# Altium PCB 微断从V2.0.PcbDoc (part 2 of 2)
Units mil, origin at the board's own origin, x right, y up, seen from the top; angles counter-clockwise.
Board outline 3625 x 3460 mil, 4 copper layers (Top Layer, Mid-Layer 1, Mid-Layer 2, Bottom Layer); 205 components, 133 nets, 655 pads, 136 vias.
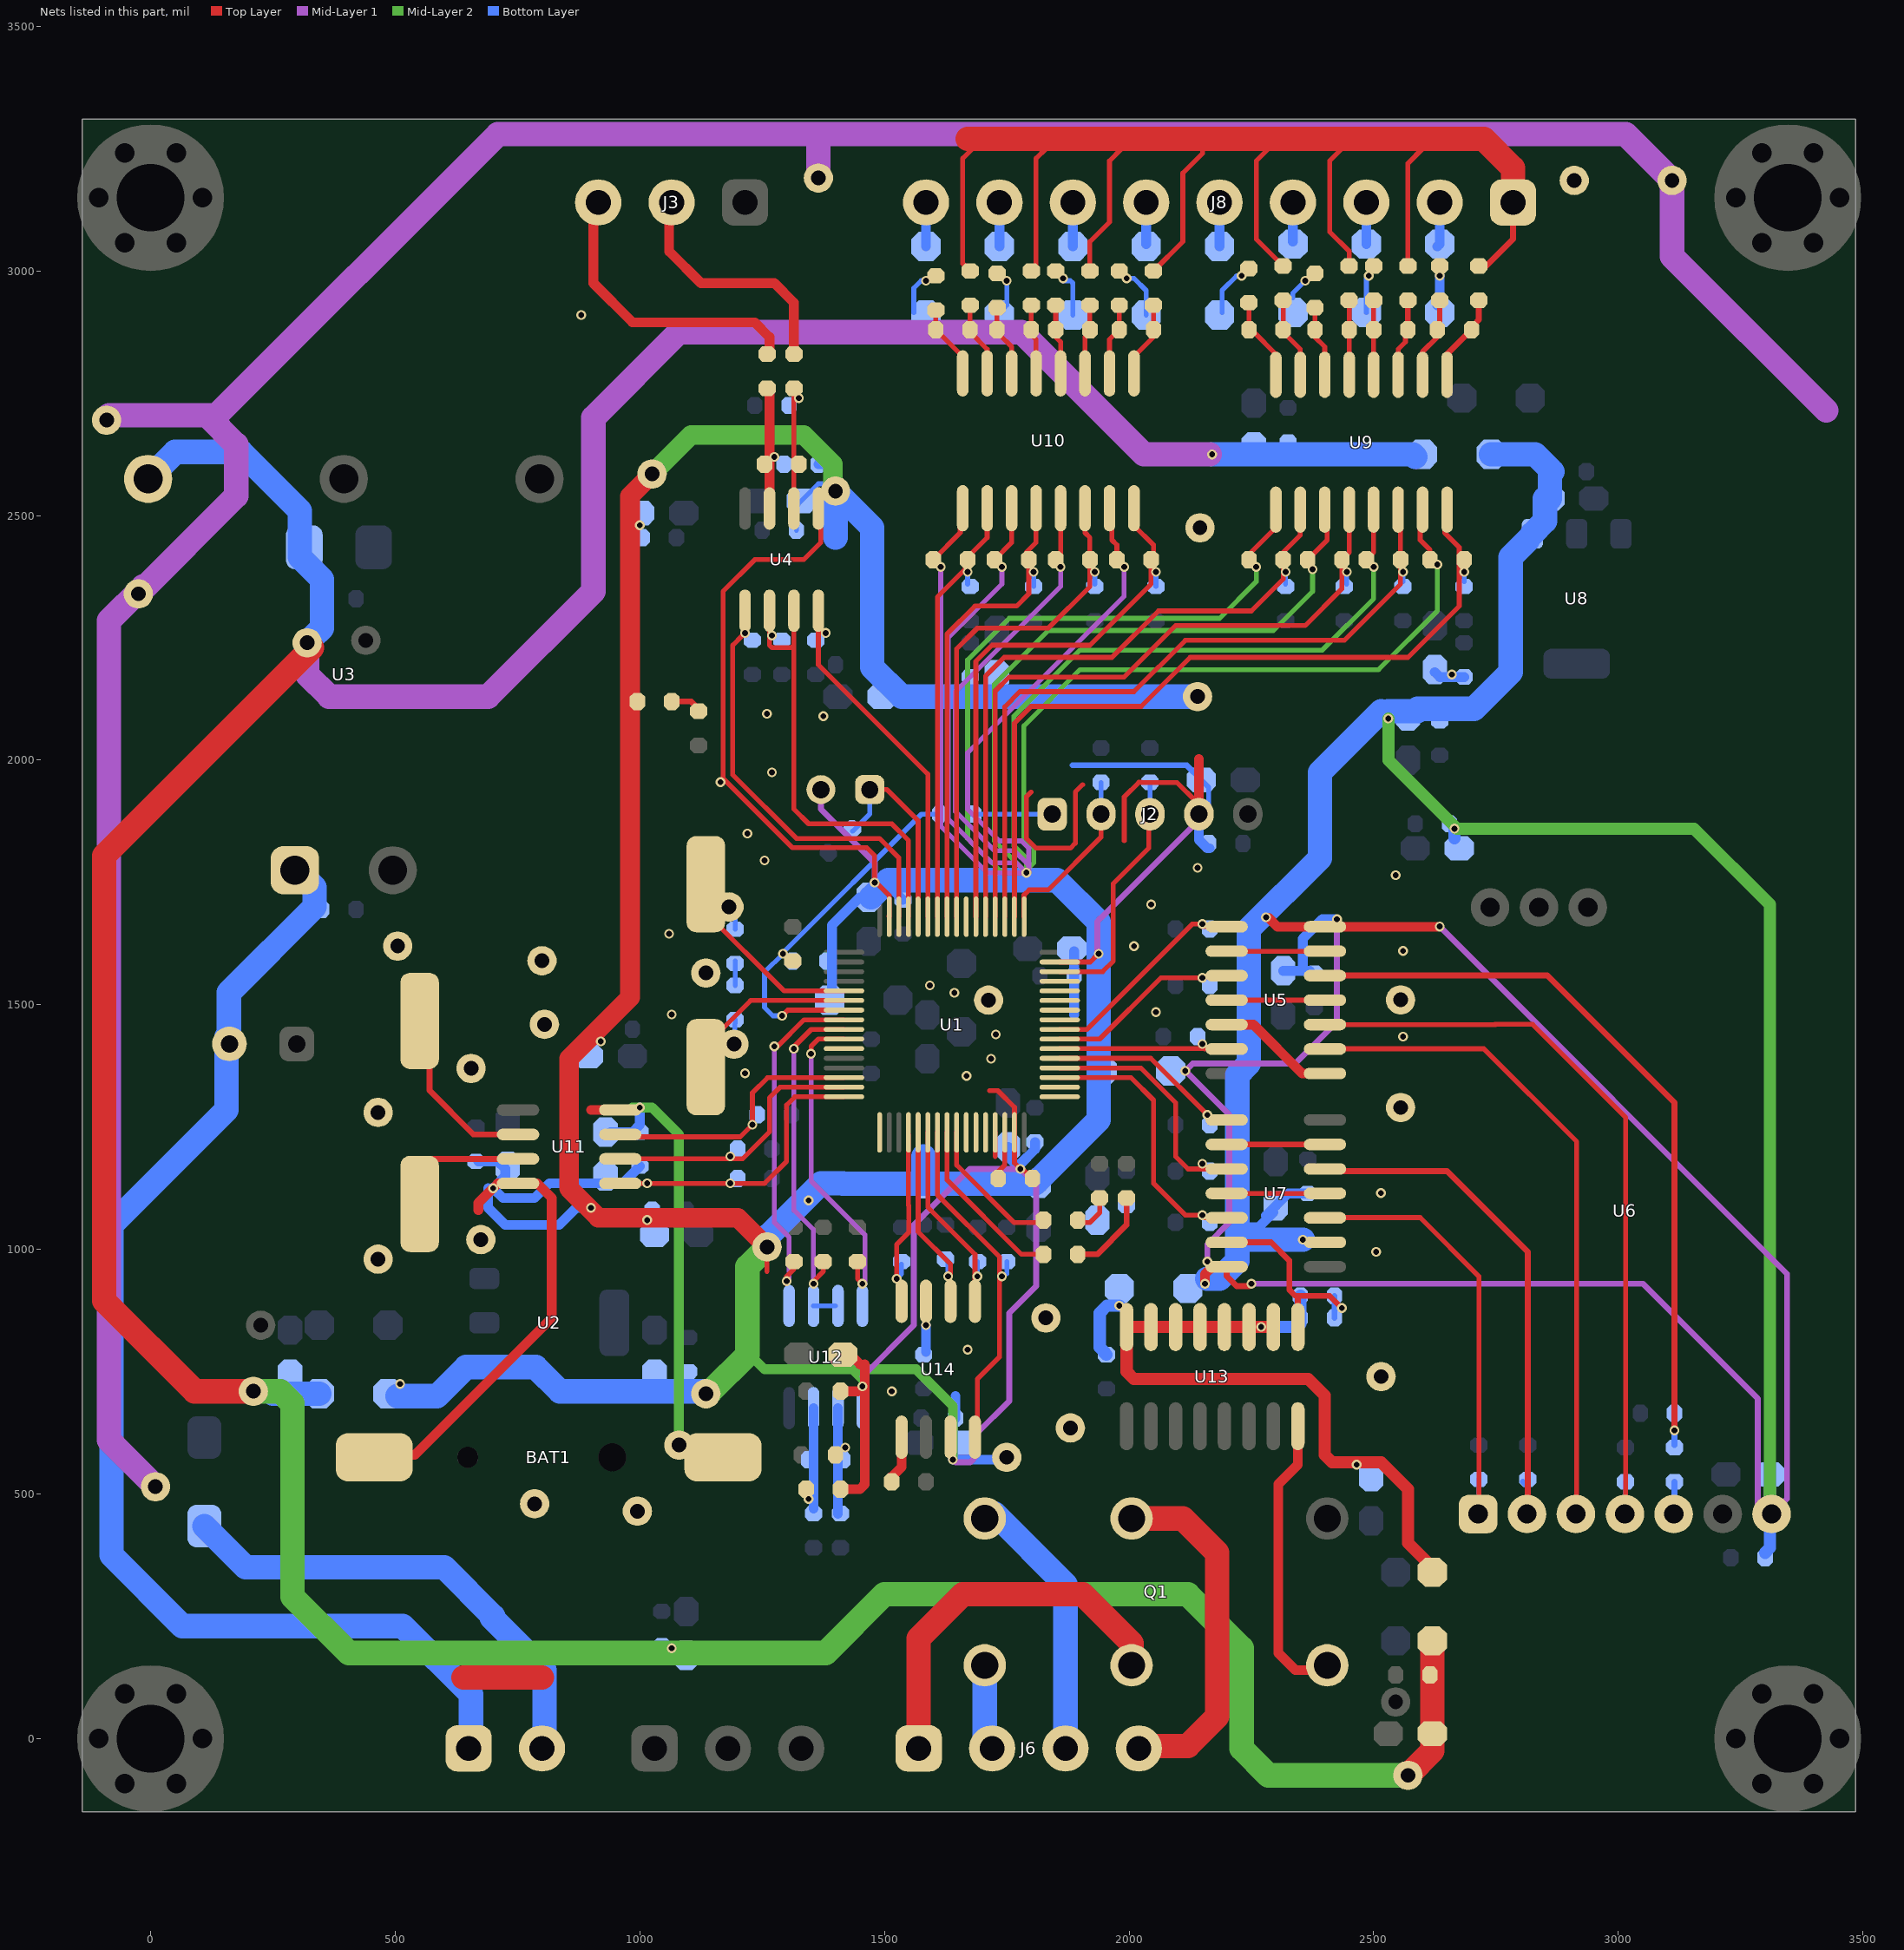
[diagram p4: the nets of this part, all layers, seen from the top]

## Via types
v1: diameter 20, hole 12, Top Layer to Bottom Layer, 136 vias

## Nets (pads, with @x,y where several pads share a name; then routed paths per layer and width w, separated by ;. In a path a pad name is that pad's centre, name@x,y a point inside that pad or via, vN(x,y) a via of type N, cw(c..) or ccw(c..) an arc to the next point about the centre after c; other vN are vias at no path point) (continued)
GND: BAT1.2 C1.2 C2.2 C5.1 C7.2 C8.2 C18.2 C19.2 C20.1 C21.2 C27.1 C29.1 C31.1 C33.2 C34.2 C35.1 C37.1 C40.1 C42.2 C43.2 C44.2 C45.2 C46.2 C47.2 C48.2 C51.1 C53.1 C54.2 C55.2 C56.2 C57.2 C58.2 C60.2 c68.2 c69.1 C71.2 C72.2 C73.1 C74.2 C75.2 C76.1 C77.1 C78.1 C80.2 C81.2 C82.2 C83.2 C84.2 C85.2 J2.4 J7.2 LED5.2 pad.1@1025,2585 pad.2@1400,2550 pad.5 pad.6 pad.87 pad.100 pad.102 pad.103 pad.104 pad.105 pad.106 pad.107 pad.108 pad.109 pad.110 pad.111 pad.112 R10.2 R41.2 U1.31 U1.47 U1.63 U2.1 U4.5 U9.9 U9.11 U9.13 U9.15 U10.9 U10.11 U10.13 U10.15 U11.4 U12.5 U14.7 Z2.2 Z4.2 Z8.1 | length 23405.9
  Top Layer w10: 1260,955 pad.6@1260,990 ; U4.5@1370,2485 1370,2445 1335,2410 1235,2410 1170,2345 1170,1963.13 1312.13,1821 1464,1821 1480,1805 v1(1480,1750) ; v1@1475,1750 v1(1480,1750) ; U1.63@1509.04,1680.76 U1.63@1509.8,1680 1509.8,1723.49 1483.29,1750 v1(1480,1750) ; C53.1@1600,2410 1655,2465 U10.9@1655,2485 ; 1715,1324.53 1731.61,1324.53 1765.71,1290.43 U1.31@1765.71,1239.05 1765.71,1176.57 v1(1777.75,1164.53) 1782.75,1164.53 C48.2@1802.75,1144.53 ; C51.1@1720,2405 C51.1@1725,2410 1760,2445 U10.11@1760,2480 ; 1800,1935 1790,1925 1790,1840 1810,1820 1880,1820 1890.22,1830.22 1890.22,1935.22 1905,1950 ; C40.1@1850,2410 1860,2420 U10.13@1860,2480 ; U1.47@1858.23,1587.48 1920.71,1587.48 v1@1932.75,1599.53 ; U10.15@1965,2480 1965,2450 1975,2440 C35.1@1975,2410 ; 1990.22,1835.22 1990.22,1925 2020.22,1955 2025,1955 ; 2025,1954.53 2097.75,1954.53 J2.4@2137.75,1914.53 ; C31.1@2245,2420 2300,2475 U9.9@2300,2512.2 ; C29.1@2365,2410 2405,2450 U9.11@2405,2485 ; C27.1@2485,2410 2500,2425 U9.13@2500,2480 ; U9.15@2595,2485 2595,2450 2615,2430 C20.1@2615,2410
  Top Layer w20: BAT1.2@485,580 540,580 820,860 820,1105 790,1135 U11.4@751.02,1135 710,1135 v1@705,1130 ; 670,1080 670,1095 v1(700,1125) ; R41.2@1410,510 1450,510 1460,520 v1@1460,720 ; C8.2@1410,710 1445,710 ; C7.2@1430,785 1450,765 ; v1@1460,725 1460,765 ; J2.4@2142.75,1889.53 2142.75,2002.75 ; U9.15@2600,2485 U9.15@2600,2512.2
  Top Layer w40: pad.1@1020,2580 980,2540 980,1515 855,1390 855,1125 915,1065 1200,1065 pad.6@1260,1005
  Mid-Layer 1 w10: v1(1615,2395) 1615,1865 1710,1770 v1(1790,1770) 1770,1790 1720,1790 1630,1880 1630,2250 1740,2360 v1(1740,2395) ; v1@1795,1770 1795,1785 ; v1(1860,2395) 1860,2355 1645,2140 1645,1895 1725,1815 1765,1815 1795,1785 ; v1(1990,2395) 1990,2335 1670,2015 1670,1900 1735,1835 1780,1835 1795,1820 1795,1785
  Mid-Layer 1 w12: J7.2@1370,1940 1370,1900 1480,1790 v1(1480,1750) ; 1455,740 1560,845 1560,1050 1674.53,1164.53 v1(1777.75,1164.53) 1810,1132.28 1810,925 1755,870 1755,690 1690,625 1690,580 1675,565 v1@1645,565 ; v1@1940,1605 1937.75,1607.25 1935,1610 1935,1670 1940,1675 1945,1680 J2.4@2140,1875
  Mid-Layer 2 w10: v1(2260,2395) 2260,2365 2185,2290 1755,2290 1670,2205 1670,1840 1740,1770 v1(1790,1770) 1725,1835 1725,2155 1835,2265 2295,2265 2375,2345 v1(2375,2390) ; v1(2500,2395) 2500,2330 2395,2225 1900,2225 1765,2090 1765,1825 1790,1800 1790,1775 1805,1790 1805,1820 1785,1840 1785,2070 1900,2185 2510,2185 2630,2305 v1(2630,2400)
  Mid-Layer 2 w20: 1225,785 1255,755 1435,755 ; 1455,735 1435,755 ; v1(1640,570) 1640,680 1565,755 1435,755
  Mid-Layer 2 w40: pad.1@1025,2585 1105,2665 1335,2665 1395,2605 pad.2@1395,2555
  Mid-Layer 2 w50: pad.5@1140,710 1145,710 1220,785 1220,965 pad.6@1260,1005
  Bottom Layer w10: C5.1@1195,1539.53 C37.1@1195,1584.53 C37.1@1195,1589.53 ; C75.2@1320,2470 1320,2520 C74.2@1330,2530 1365,2565 pad.2@1375,2565 ; C21.2@2147.75,1959.53 2162.75,1944.53 J2.4@2162.75,1889.53
  Bottom Layer w12: 1884.53,1989.53 2117.75,1989.53 C21.2@2147.75,1959.53
  Bottom Layer w20: C60.2@670,1180 710,1180 725,1165 725,1150 v1@702.5,1127.5 ; v1@690,1125 690,1085 725,1050 835,1050 870,1085 v1(900,1085) ; v1(700,1125) 720,1105 785,1105 815,1135 965,1135 C55.2@1000,1170 ; R10.2@1365,2605 1390,2605 1405,2590 pad.2@1405,2560 ; Z2.2@1392.75,1534.53 1392.75,1662.75 1449.53,1719.53 C43.2@1467.75,1719.53 ; 1507.75,1744.53 C42.2@1537.75,1714.53 ; C57.2@1640,650 v1(1640,570) 1740,570 pad.111@1755,585 ; C57.2@1645,655 1645,700 ; C46.2@1752.75,1209.53 1752.75,1189.53 v1(1777.75,1164.53) ; 1777.75,1174.53 1807.75,1204.53 C18.2@1807.75,1219.53 ; 1887.75,1479.53 C44.2@1887.75,1559.53 C45.2@1887.75,1609.53 ; J2.4@2142.75,1889.53 2142.75,1837.25 2160,1820 C33.2@2165,1820 ; C72.2@2625,2180 2635,2170 C71.2@2685,2170
  Bottom Layer w50: Z4.2@505,700 585,700 644.45,759.45 U2.1@682.13,759.45 787.13,759.45 836.57,710 pad.5@1130,710 ; pad.6@1260,1025 pad.6@1265,1030 ; 1270,1035 1370,1135 1415,1135 ; 1400,2455 pad.2@1400,2550 1475,2475 1475,2190 1535,2130 pad.112@2140,2130 ; 1415,1134.53 C78.1@1580,1134.53 ; C43.2@1472.75,1719.53 1491.61,1738.39 ; 1507.75,1754.53 1852.75,1754.53 1937.75,1669.53 v1(1937.75,1604.53) 1937.75,1264.53 C77.1@1811.61,1138.39 ; 1580,1190 C78.1@1580,1134.53 ; C77.1@1807.76,1134.53 C78.1@1580,1134.53
  other v1: 1515,710 1455,720 510,725 1670,795 1015,1060 1345,1100 1667.75,1354.53 1215,1360 1717.75,1389.53 920,1425 1727.75,1439.53 1065,1480 2055,1485 1642.75,1524.53 1592.75,1539.53 2010,1620 1060,1645 2045,1705 2140,1780 1255,1795 1220,1850 1165,1955 1270,1975 1375,2090 1260,2095 2660,2175 1000,2480 880,2910
GND_24V: C15.2 C24.2 J1.1 pad.0@785,480 pad.1@995,465 pad.2@1365,3190 pad.3@2145,2475 pad.114 pad.115 pad.116 pad.117 pad.118 U3.1 | length 9234.3
  Top Layer w50: 640,125 800,125
  Mid-Layer 1 w50: pad.118@-85,2705 115,2705 ; pad.117@-25,2340 175,2540 175,2645 115,2705 ; pad.117@-15,2355 -85,2285 -85,610 pad.116@10,515 ; pad.2@1365,3190 1365,3260 ; 3425,2715 3110,3030 pad.115@3110,3185 3015,3280 710,3280 135,2705 115,2705
  Bottom Layer w50: C15.2@155,1435 155,1285 -80,1050 -80,375 65,230 515,230 655,90 J1.1@655,-15 ; C15.2@160,1425 160,1525 335,1700 335,1740 U3.1@305,1770 ; C15.2@165,1420 C15.2@165,1425
GNDA: C3.2 C4.2 C14.2 C61.2 C62.2 C63.2 C64.2 C86.1 C87.1 pad.1@210,710 pad.2@320,2240 pad.14 U3.5 Z4.1 Z7.1 Z10.1 | length 9049.6
  Top Layer w50: pad.1@210,710 90,710 -95,895 -95,1805 pad.2@330,2230 ; pad.14@2570,-75 2620,-25 Z10.1@2620,200
  Mid-Layer 1 w50: pad.2@320,2240 320,2175 365,2130 690,2130 905,2345 905,2700 1080,2875 1780,2875 2030,2625 v1@2165,2625
  Mid-Layer 2 w50: pad.1@210,710 265,710 290,685 290,290 405,175 1380,175 1500,295 2120,295 2230,185 2230,-20 2285,-75 pad.14@2565,-75
  Bottom Layer w50: U3.5@-5,2575 50,2630 185,2630 305,2510 305,2415 350,2370 C4.2@350,2330 350,2270 pad.2@330,2250 ; 250,705 Z4.1@345,705 ; v1(2170,2625) 2580,2625 Z7.1@2585,2620
  other v1: 1065,185
GNDf: C23.2 C25.2 C26.2 pad.15 R43.2 U13.2 U13.3 U13.4 U13.5 U13.6 U13.7 U13.8 Z5.2 Z10.2 | length 1600
  Top Layer w25: U13.2@2295,841.46 v1(2270,841.46) U13.3@2245,841.46 U13.4@2195,841.46 U13.5@2145,841.46 U13.6@2095,841.46 U13.7@2045,841.46 U13.8@1995,841.46 1995,750 2010,735 2366.54,735 2400,701.54 2400,580 2415,565 2515,565 2570,510 2570,400 2610,360 Z10.2@2610,340
  Bottom Layer w25: C26.2@1949.03,789.44 C26.2@1953.46,785 ; C26.2@1950,790 1940,800 1940,870 1955,885 v1(1980,885) ; v1(2270,841.46) 2343.54,841.46 2350,847.91 C23.2@2350,860 R43.2@2350,905
  other v1: 2465,560
GNDU: C9.2 C10.2 C11.2 C12.2 C13.2 C16.2 C49.2 C50.2 C59.2 C65.2 C66.2 C67.2 pad.11 pad.12 U5.7 U6.7 U7.7 U7.9 U8.1 Z5.1 Z7.2 Z8.2 | length 9424
  Top Layer w12: U7.7@2199.53,964.53 2199.53,945.47 2220,925 v1@2245,925
  Top Layer w20: v1(2155,930) 2155,949.53 2170,964.53 U7.7@2199.53,964.53 ; v1@2285,1677.83 2303.31,1659.53 U5.7@2400.47,1659.53 v1@2629.53,1659.53
  Mid-Layer 1 w12: v1(2160,975) 2160,1010 2205,1055 2205,1275 v1(2115,1365) 2130,1380 2340,1380 2425,1465 2425,1655 ; v1(2250,930) 3050,930 3285,695 U6.7@3285,470 ; v1(2635,1660) 3345,950 3345,490 U6.7@3320,465
  Mid-Layer 2 w25: v1(2530,2085) 2530,2000 v1@2667.5,1862.5 ; v1@2670,1860 3155,1860 3310,1705 U6.7@3310,459.06
  Bottom Layer w20: 2221.26,1045 2264.29,1045 C49.2@2295,1075.71 ; C49.2@2280,1069.21 C49.2@2300,1089.21 2325.32,1114.53 C50.2@2365,1114.53 ; C66.2@2315,1569.53 2355,1569.53 ; C67.2@2369.53,1569.53 2355,1569.53 ; v1@2420,1675 2395,1675 2355,1635 2355,1569.53
  Bottom Layer w25: C10.2@2665,1840 v1(2665,1860) ; C16.2@3300,380 3310,390 C59.2@3310,540
  Bottom Layer w50: 2160,940 2185,940 2221.26,976.26 2221.26,1045 2221.26,1356.26 2245,1380 2245,1654.53 2390,1799.53 2390,1975 2515,2100 ; 2245.47,1020 v1(2355,1020) ; 2530,2100 2570,2100 C13.2@2590,2100 ; C13.2@2590,2105 2705,2105 2780,2180 2780,2415 U8.1@2815,2450 ; Z7.2@2740,2625 2830,2625 C12.2@2860,2595 ; U8.1@2824.45,2462.87 2850,2488.43 C9.2@2850,2535 ; C9.2@2860,2535 C12.2@2860,2595 ; C12.2@2865,2590 C12.2@2860,2595
  other v1: 2505,995 2515,1115 2560,1435 2560,1610 2425,1675 2280,1678.82 2545,1765
HALL1: J8.2 Z11.1 | length 92.1
  Bottom Layer w20: Z11.1@2630,3050 Z11.1@2635,3055 J8.2@2635,3140
HALL2: J8.3 Z12.1 | length 62.1
  Bottom Layer w20: Z12.1@2485,3055 2485,3110 J8.3@2490,3115
HALL3: J8.4 Z13.1 | length 80
  Bottom Layer w20: Z13.1@2335,3060 J8.4@2335,3140
HALL4: J8.5 Z14.1 | length 80
  Bottom Layer w20: Z14.1@2185,3050 J8.5@2185,3130
HALL5: J8.6 Z15.1 | length 85
  Bottom Layer w20: Z15.1@2035,3055 J8.6@2035,3140
HALL6: J8.7 Z16.1 | length 74.1
  Bottom Layer w20: Z16.1@1885,3050 1885,3110 J8.7@1895,3120
HALL7: J8.8 Z17.1 | length 65
  Bottom Layer w20: Z17.1@1735,3050 J8.8@1735,3115
HALL8: J8.9 Z18.1 | length 79.1
  Bottom Layer w20: Z18.1@1585,3050 1585,3115 J8.9@1595,3125
INCOM1: J8.1 R30.2 R37.2 R44.2 R47.2 R50.2 R53.2 R56.2 R59.2 | length 3320.7
  Top Layer w10: R59.2@1675,3000 1660,3015 1660,3230 1685,3255 1685,3260 ; R56.2@1800,3000 1810,3010 1810,3230 1830,3250 1845,3250 ; R53.2@1920,3000 1920,3060 1960,3100 1960,3225 1985,3250 1985,3255 ; R50.2@2050,3000 2110,3060 2110,3200 2150,3240 2150,3260 ; 2295,3265 2295,3260 2260,3225 2260,3065 R47.2@2315,3010 ; 2440,3255 2410,3225 2410,3080 2450,3040 R44.2@2450,3010 ; R37.2@2570,3010 2570,3220 2600,3250 2600,3260
  Top Layer w12: R30.2@2710,3010 R30.2@2715,3010 2730,3010 2785,3065 2785,3105 J8.1@2790,3110
  Top Layer w50: 1670,3270 2725,3270 2785,3210 J8.1@2785,3140
MD: J7.1 R6.1 U1.60 | length 427.9
  Top Layer w10: J7.1@1470,1940 1505,1940 1568.86,1876.14 U1.60@1568.86,1680 ; J7.1@1472.75,1939.53 J7.1@1477.75,1939.53
  Bottom Layer w10: R6.1@1434.75,1854.75 1470,1890 J7.1@1470,1920 ; J7.1@1467.75,1920 1467.75,1934.53 J7.1@1472.75,1939.53
NetC17_1: C17.1 R30.1 U9.1 | length 187.1
  Top Layer w12: U9.1@2650,2787.8 2650,2830 2695,2875 C17.1@2695,2890 ; C17.1@2705,2890 2715,2900 R30.1@2715,2940 ; R30.1@2710,2940 2710,2945 R30.1@2715,2950
NetC17_2: C17.2 R33.1 U9.2 | length 166.7
  Top Layer w10: U9.2@2600,2787.8 2600,2835 2630,2865 2630,2875 2635,2880 R33.1@2635,2940
NetC22_1: C22.1 R37.1 U9.3 | length 143.4
  Top Layer w10: U9.3@2550,2787.8 2550,2840 2565,2855 C22.1@2565,2870
  Top Layer w12: C22.1@2570,2885 R37.1@2570,2940
NetC22_2: C22.2 R39.1 U9.4 | length 147.2
  Top Layer w10: U9.4@2500,2787.8 C22.2@2500,2875 ; C22.2@2500,2880 R39.1@2500,2940
NetC28_1: C28.1 R44.1 U9.5 | length 142.2
  Top Layer w10: U9.5@2450,2787.8 C28.1@2450,2875 ; C28.1@2450,2880 R44.1@2450,2935
NetC28_2: C28.2 R46.1 U9.6 | length 145.5
  Top Layer w10: R46.1@2380,2925 C28.2@2380,2880 2380,2865 2400,2845 U9.6@2400,2787.8
NetC30_1: C30.1 R47.1 U9.7 | length 171.7
  Top Layer w10: C30.1@2315,2870 C30.1@2315,2875 ; R47.1@2315,2940 C30.1@2315,2880 C30.1@2315,2875 ; U9.7@2350,2787.8 2350,2840 C30.1@2315,2875
NetC30_2: C30.2 R49.1 U9.8 | length 172.9
  Top Layer w10: R49.1@2245,2935 C30.2@2245,2880 2250,2875 2255,2875 2300,2830 U9.8@2300,2787.8
NetC32_1: C32.1 R50.1 U10.1 | length 175.1
  Top Layer w10: U10.1@2010,2775.59 U10.1@2010,2790.59 2010,2825 2055,2870 C32.1@2055,2875 ; C32.1@2050,2880 R50.1@2050,2930 R50.1@2055,2935
NetC32_2: C32.2 R52.1 U10.2 | length 171.8
  Top Layer w10: U10.2@1960,2775.59 U10.2@1960,2790.59 1960,2860 C32.2@1980,2880 C32.2@1985,2885 ; C32.2@1975,2880 1980,2885 R52.1@1980,2930
NetC36_1: C36.1 R53.1 U10.3 | length 158.6
  Top Layer w10: U10.3@1910,2775.59 U10.3@1910,2790.59 1910,2865 1920,2875 C36.1@1920,2880 R53.1@1920,2930
NetC36_2: C36.2 R55.1 U10.4 | length 147.7
  Top Layer w10: C36.2@1850,2865 1860,2855 U10.4@1860,2790.59 U10.4@1860,2775.59 ; R55.1@1850,2930 1850,2890 C36.2@1860,2880
NetC41_1: C41.1 R56.1 U10.5 | length 143.6
  Top Layer w10: C41.1@1800,2880 1800,2925 R56.1@1805,2930 ; C41.1@1805,2865 1810,2860 U10.5@1810,2790.59 U10.5@1810,2775.59
NetC41_2: C41.2 R58.1 U10.6 | length 144.8
  Top Layer w10: C41.2@1730,2885 R58.1@1730,2925 ; C41.2@1735,2870 1760,2845 U10.6@1760,2790.59 U10.6@1760,2775.59
NetC52_1: C52.1 R59.1 U10.7 | length 161
  Top Layer w10: C52.1@1675,2875 1710,2840 U10.7@1710,2790.59 U10.7@1710,2775.59 ; R59.1@1675,2930 1675,2890 C52.1@1680,2885
NetC52_2: C52.2 R61.1 U10.8 | length 164.3
  Top Layer w10: C52.2@1605,2880 1660,2825 U10.8@1660,2790.59 U10.8@1660,2775.59 ; R61.1@1605,2920 1605,2890 C52.2@1610,2885
NetD4_1: D4.1 J1.2 | length 968.4
  Bottom Layer w50: D4.1@110,434.45 194.45,350 600,350 700,250 ; 697.5,247.5 805,140 J1.2@805,-10
NetLED5_1: LED5.1 R1.1 | length 71.2
  Top Layer w12: LED5.1@1065,2120 1105,2120 1120,2105 R1.1@1120,2095
NetPC4_1: PC4.1 R11.1 | length 174.9
  Top Layer w12: PC4.1@1895,990 1935,990 1995,1050 R11.1@1995,1100
NetPC5_1: PC5.1 R12.1 | length 78.3
  Top Layer w10: PC5.1@1900,1055 1920,1055 1940,1075 R12.1@1940,1105
NetQ1_16: Q1.16 U13.16 | length 584.6
  Top Layer w20: U13.16@2345,638.54 2345,560 2305,520 2305,175 2340,140 Q1.16@2395,140
NetR10_1: R10.1 R21.2 R22.1 U4.7 | length 245.5
  Top Layer w20: U4.7@1265,2514.49 1265,2620 R21.2@1265,2760
  other v1: 1275,2620
NetR14_2: R14.2 R15.2 R22.2 U4.6 | length 240.5
  Top Layer w10: U4.6@1315,2514.49 1315,2690 R15.2@1315,2755
  other v1: 1325,2740
NetR16_2: R16.2 R17.2 R31.2 U12.6 | length 215.5
  Bottom Layer w20: R17.2@1405,460 U12.6@1405,675.51
  other v1: 1420,595
NetR25_1: R25.1 U5.3 U6.4 | length 1586.2
  Top Layer w10: U5.3@2400.47,1459.53 2748.86,1459.53 2748.39,1460 2825,1460 3015,1270 U6.4@3015,460 ; U6.4@3008.39,459.06 U6.4@3013.39,454.06
  Bottom Layer w10: U6.4@3010,450.67 U6.4@3013.39,454.06 ; U6.4@3015,455 R25.1@3015,525
NetR26_1: R26.1 R29.2 U5.5 | length 1537.7
  Top Layer w12: U5.5@2430,1560 2780,1560 ; 2790,1560 2780,1560 ; v1(3115,630) 3115,1300 2855,1560 2780,1560
  Bottom Layer w12: R29.2@3115,600 v1(3115,630) R26.1@3115,665
NetR27_1: R27.1 U6.1 U7.10 | length 890.2
  Top Layer w10: U7.10@2425,1065 2515,1065 ; 2538.39,1065 2515,1065 ; U6.1@2713.39,461.61 U6.1@2715,460 ; U6.1@2715,465 2715,945 2595,1065 2515,1065
  Bottom Layer w10: U6.1@2710,450.67 U6.1@2713.39,454.06 ; U6.1@2715,490 R27.1@2715,530
NetR28_1: R28.1 U6.2 U7.12 | length 1069.6
  Top Layer w12: U7.12@2420,1165 U7.12@2425,1165 ; U7.12@2425,1160 2650,1160 2815,995 U6.2@2815,455 ; U6.2@2808.39,459.06 U6.2@2813.39,454.06
  Bottom Layer w12: R28.1@2805,525 2815,515 U6.2@2815,470
NetR29_1: R29.1 U6.5 | length 65
  Bottom Layer w12: U6.5@3115,460 R29.1@3115,525
NetR31_1: R31.1 R40.2 R41.1 U12.7 | length 205.5
  Bottom Layer w20: R40.2@1355,470 1355,570 U12.7@1355,675.51
  other v1: 1345,490
NetR33_2: R33.2 Z11.2 | length 62.1
  Bottom Layer w20: Z11.2@2630,2930 2635,2935 v1(2635,2990)
NetR39_2: R39.2 Z12.2 | length 70
  Bottom Layer w10: Z12.2@2485,2915 v1@2485,2985
  other v1: 2490,2990
NetR46_2: R46.2 Z13.2 | length 45.4
  Bottom Layer w10: 2335,2945 2335,2955 v1(2360,2980)
NetR49_2: R49.2 Z14.2 | length 97.4
  Bottom Layer w10: Z14.2@2190,2915 2190,2960 2220,2990 v1(2230,2990)
NetR52_2: R52.2 Z15.2 | length 100.4
  Bottom Layer w10: v1(1995,2985) 2010,2985 2035,2960 Z15.2@2035,2910
NetR55_2: R55.2 Z16.2 | length 87.1
  Bottom Layer w10: v1@1865,2980 1880,2980 1885,2975 Z16.2@1885,2910
  other v1: 1865,2985
NetR58_2: R58.2 Z17.2 | length 57.1
  Bottom Layer w10: Z17.2@1745,2925 1750,2930 v1(1750,2980)
NetR61_2: R61.2 Z18.2 | length 81.2
  Bottom Layer w10: Z18.2@1560,2915 1560,2965 1575,2980 v1(1585,2980)
NetR64_1: R64.1 U14.3 | length 55
  Bottom Layer w20: R64.1@1585,790 v1(1585,845)
NetR66_2: R66.2 U14.5 | length 99.3
  Top Layer w20: R66.2@1515,525 1515,535 1535,555 U14.5@1535,616.02
NetU5_1: U5.1 U5.12 | length 242.4
  Top Layer w20: U5.12@2199.53,1459.53 2254.05,1459.53 2354.05,1359.53 U5.1@2400.47,1359.53
NetU5_2: U5.2 U6.3 | length 1345.8
  Top Layer w10: U5.2@2420,1405 U5.2@2425,1405 ; U5.2@2425,1410 2725,1410 2915,1220 U6.3@2915,455 ; U6.3@2908.39,459.06 U6.3@2913.39,454.06
NetU5_4: U5.4 U5.11 | length 200.9
  Top Layer w10: U5.11@2199.53,1509.53 U5.4@2400.47,1509.53
NetU5_6: U5.6 U5.9 | length 200.9
  Top Layer w10: U5.9@2199.53,1609.53 U5.6@2400.47,1609.53
NetU7_2: U7.2 U7.13 | length 200.9
  Top Layer w12: U7.2@2199.53,1214.53 U7.13@2400.47,1214.53
NetU7_4: U7.4 U7.11 | length 200.9
  Top Layer w10: U7.4@2199.53,1114.53 U7.11@2400.47,1114.53
NetU11_2: U11.2 X2.2 | length 283.3
  Top Layer w12: X2.2@570,1390 570,1325 660,1235 U11.2@751.02,1235
NetU11_3: U11.3 X2.1 | length 223.1
  Top Layer w12: X2.1@545,1180 550,1185 U11.3@751.02,1185 ; X2.1@565,1095 X2.1@565,1110
NRST: C34.1 R2.1 R3.2 U1.7 | length 739.2
  Top Layer w10: v1(1290.66,1477.43) 1302.28,1489.05 U1.7@1417.28,1489.05
  Bottom Layer w10: v1(1290.66,1477.43) 1272.1,1477.43 1255,1494.53 1255,1566.77 v1(1292.75,1604.53) 1292.75,1606.83 1575.46,1889.53 R3.2@1612.75,1889.53
PA0: R62.2 U1.14 U11.7 | length 552.7
  Top Layer w10: U11.7@960,1230 U11.7@985,1230 ; U11.7@980,1235 U11.7@985,1230 ; U1.14@1417.28,1351.26 1366.26,1351.26 1366,1351 1261,1351 1230,1320 v1(1230,1255) 1205,1230 U11.7@985,1230
PA1: R63.2 U1.15 U11.6 | length 559
  Top Layer w10: U11.6@960,1185 1210,1185 1265,1240 1265,1310 1286.57,1331.57 U1.15@1417.28,1331.57
  other v1: 1185,1190
PA2: R65.2 U1.16 U11.5 | length 622.9
  Top Layer w10: U11.5@935,1135 U11.5@960,1135 v1(1015,1135) v1(1185,1135) 1255,1135 1300,1180 1300,1295 1316.89,1311.89 U1.16@1417.28,1311.89
PA3: U1.17
PA4: R67.2 U1.20 U14.4 | length 343.5
  Top Layer w10: v1(1525,940) 1525,1010 1549.86,1034.86 1549.86,1090 ; U14.4@1530,935 v1@1530,940 ; 1549.17,1090 U1.20@1549.17,1234.05
  Bottom Layer w10: v1(1525,940) 1535,950 R67.2@1535,970
PA5: R68.2 U1.21 U14.2 | length 353.5
  Top Layer w10: U1.21@1568.86,1239.05 1568.86,1036.14 1635,970 1635,950 v1(1630,945)
  Bottom Layer w10: v1(1630,945) R68.2@1630,975
PA6: R69.2 U1.22 U14.1 | length 399
  Top Layer w10: U1.22@1588.54,1239.05 1588.54,1086.46 1685,990 U14.1@1685,915
  Bottom Layer w10: v1@1690,940 v1(1690,945) R69.2@1690,975
PA7: R70.2 U1.23 U14.8 | length 719.2
  Top Layer w10: U1.23@1608.23,1239.05 1608.23,1111.77 1735,985 1735,780 1690,735 U14.8@1690,616.02
  Bottom Layer w10: 1750,950 R70.2@1750,975
  other v1: 1740,945
PA8: U1.41
PA9: U1.42
PA10: U1.43
PA11: U1.44
PA12: U1.45
PA15: C20.2 R32.2 U1.50 U9.16 | length 1601.5
  Top Layer w10: U1.50@1765.71,1680 1765.71,2075.71 1800,2110 2025,2110 2125,2210 2570,2210 2675,2315 2675,2435 2645,2465 U9.16@2645,2480
  Bottom Layer w10: R32.2@2685,2365 v1(2685,2385)
PB0: U1.26
PB1: U1.27
PB2: U1.28
PB3: U1.55
PB4: C40.2 R54.2 U1.56 U10.14 | length 1051.9
  Top Layer w10: U1.56@1647.6,1680 1647.6,2227.6 1690,2270 1835,2270 1920,2355 C40.2@1920,2405 ; U10.14@1910,2515 1910,2465 1920,2455 C40.2@1920,2415
  Bottom Layer w10: R54.2@1930,2360 v1(1930,2385)
PB5: C51.2 R57.2 U1.57 U10.12 | length 982.3
  Top Layer w10: U1.57@1627.91,1680 1627.91,2257.91 1685,2315 1770,2315 1795,2340 C51.2@1795,2405 ; C51.2@1790,2415 1790,2425 1810,2445 U10.12@1810,2515
  Bottom Layer w10: R57.2@1805,2355 v1(1805,2385)
PB6: C53.2 R60.2 U1.58 U10.10 | length 890.1
  Top Layer w10: U1.58@1608.23,1680 1608.23,2333.23 1665,2390 C53.2@1665,2405 ; C53.2@1670,2415 1710,2455 U10.10@1710,2515
  Bottom Layer w10: R60.2@1670,2360 v1(1670,2385)
PB7: R36.2 U1.59 U4.4 | length 753.1
  Top Layer w10: U4.4@1365,2340.51 U4.4@1365,2305.51 1365,2195 1588.54,1971.46 U1.59@1588.54,1680
  other v1: 1380,2260
PB8: R35.2 U1.61 U4.2 U4.3 | length 946.7
  Top Layer w10: U4.2@1265,2305.51 1265,2235 1270,2230 1310,2230 1315,2235 ; U4.3@1315,2305.51 1315,2235 ; U1.61@1549.17,1680 1549.17,1835.83 1515,1870 1345,1870 1315,1900 1315,2235
  other v1: 1270,2255
PB9: R34.2 U1.62 U4.1 | length 874
  Top Layer w10: v1@1210,2255 1190,2235 1190,1970 1320,1840 1490,1840 1529.49,1800.51 U1.62@1529.49,1680 ; v1@1215,2255 v1(1215,2260) U4.1@1215,2305.51
PB10: U1.29 | length 48.8
  Top Layer w10: 1726.34,1190.21 U1.29@1726.34,1239.05
PB12: U1.33
PB13: U1.34
PB14: R24.2 U1.35 U7.5 | length 557.4
  Top Layer w10: U1.35@1858.23,1351.26 2003.74,1351.26 2050,1305 2050,1135 2115,1070 v1(2150,1070) ; v1@2150,1064.53 U7.5@2199.53,1064.53
PB15: R23.2 U1.36 U7.3 | length 491.2
  Top Layer w10: U1.36@1858.23,1370.94 2024.06,1370.94 2095,1300 2095,1190 2120.47,1164.53 U7.3@2199.53,1164.53
  other v1: 2149.89,1175.11
PC0: R7.2 U1.8 U12.1 | length 697.2
  Top Layer w10: v1@1281.26,1415 1335.63,1469.37 U1.8@1417.28,1469.37 ; v1@1300,930 v1(1300,935) 1300,945 1315,960 R7.2@1315,975
  Mid-Layer 1 w10: v1(1275,1415) 1275,1055 1305,1025 v1@1305,940
PC1: R8.2 U1.9 U12.2 U12.3 | length 711
  Top Layer w10: v1@1315,1415 1315.63,1415 1350.32,1449.68 U1.9@1417.28,1449.68 ; v1(1355,930) 1355,935 1375,955 R8.2@1375,975
  Mid-Layer 1 w10: v1(1315,1410) 1315,1080 1355,1040 v1(1355,930)
  Bottom Layer w10: U12.2@1355,884.49 U12.3@1399.49,884.49
PC2: R13.2 U1.10 U12.4 | length 648.2
  Top Layer w10: v1@1350,1405 1350,1415 1365,1430 U1.10@1417.28,1430 ; R13.2@1445,975 1445,940 v1(1455,930)
  Mid-Layer 1 w10: v1(1350,1400) 1350,1140 1460,1030 v1@1460,930
PC3: U1.11
PC4: PC4.2 U1.24 | length 357.1
  Top Layer w10: U1.24@1627.91,1239.05 1627.91,1142.09 1780,990 1803.13,990 1810,990 PC4.2@1825,990
PC5: PC5.2 U1.25 | length 287.7
  Top Layer w10: U1.25@1647.6,1239.05 1647.6,1172.4 1765,1055 PC5.2@1820,1055
PC6: R42.2 U1.37 U7.1 | length 368
  Top Layer w10: U1.37@1858.23,1390.63 2044.37,1390.63 v1(2160,1275) ; U7.1@2181.2,1264.53 U7.1@2199.53,1264.53
PC7: R19.2 U1.38 U5.13 | length 296.9
  Top Layer w10: U1.38@1858.23,1410.31 2154.69,1410.31 2155,1410
  other v1: 2150,1420
PC8: R18.2 U1.39 U5.10 | length 356.9
  Top Layer w10: U1.39@1858.23,1430 1940,1430 2065,1555 v1(2150,1555) 2155,1555 2159.53,1559.53 U5.10@2161.5,1559.53
PC9: R9.2 U1.40 U5.8 | length 430.5
  Top Layer w10: U1.40@1858.23,1449.68 1913.94,1449.68 2129.25,1665 v1(2150,1665) ; v1@2150,1659.53 U5.8@2199.53,1659.53
PC10: C27.2 R38.2 U1.51 U9.14 | length 1477.1
  Top Layer w10: U1.51@1746.02,1680 1746.02,2109.31 1776.71,2140 2010,2140 2115,2245 2440,2245 2555,2360 C27.2@2555,2400 ; U9.14@2550,2480 U9.14@2550,2485 ; C27.2@2555,2410 U9.14@2555,2480
  Bottom Layer w10: R38.2@2560,2365 v1(2560,2385)
PC11: C29.2 R45.2 U1.52 U9.12 | length 1432.6
  Top Layer w10: U1.52@1726.34,1680 1726.34,2141.34 1755,2170 1990,2170 2095,2275 2360,2275 2435,2350 C29.2@2435,2410 2450,2425 U9.12@2450,2495
  Bottom Layer w10: R45.2@2445,2360 v1(2445,2385)
PC12: C31.2 R48.2 U1.53 U9.10 | length 1321.7
  Top Layer w10: U1.53@1706.65,1680 1706.65,2171.65 1745,2210 1965,2210 2060,2305 2250,2305 2315,2370 C31.2@2315,2400 ; C31.2@2310,2400 C31.2@2310,2405 ; C31.2@2315,2425 2350,2460 U9.10@2350,2490
  Bottom Layer w10: R48.2@2320,2360 v1(2320,2385)
PD2: C35.2 R51.2 U1.54 U10.16 | length 1142
  Top Layer w10: U1.54@1686.97,1680 1686.97,2201.97 1720,2235 1920,2235 2045,2360 C35.2@2045,2405 ; U10.16@2010,2515 2010,2480 2050,2440 C35.2@2050,2410
  Bottom Layer w10: R51.2@2055,2355 v1(2055,2385)
PH0: C37.2 pad.0@1182.25,1700 U1.5 X1.2 | length 438.4
  Top Layer w10: X1.2@1132.75,1690.67 1295,1528.42 U1.5@1417.28,1528.42 ; X1.2@1135,1710.67 X1.2@1135,1746.53
  Bottom Layer w10: pad.0@1182.25,1700 1195,1687.25 C37.2@1195,1654.53
PH1: C5.2 pad.1@1192.5,1419.53 U1.6 X1.1 | length 468
  Top Layer w10: X1.1@1135,1372.52 X1.1@1135,1389.53 ; X1.1@1172.5,1427.03 X1.1@1135,1389.53 ; U1.6@1417.28,1508.74 1226.46,1508.74 1135,1417.28 X1.1@1135,1389.53
  Bottom Layer w10: pad.1@1192.5,1419.53 C5.2@1195,1469.53
R1-1: J6.1 Q1.12 | length 795.8
  Top Layer w50: J6.1@1560,-20 1560,-25 J6.1@1565,-30 ; J6.1@1570,-20 1570,205 1660,295 1905,295 2005,195 Q1.12@2005,150
R1-2: J6.2 Q1.9 | length 160
  Bottom Layer w50: J6.2@1705,-10 Q1.9@1705,150
R2-1: J6.4 Q1.5 | length 725.9
  Top Layer w50: Q1.5@2005,450 2110,450 2180,380 2180,45 2120,-15 2025,-15 J6.4@2020,-20
R2-2: J6.3 Q1.8 | length 560.1
  Bottom Layer w50: Q1.8@1700,460 1725,460 1870,315 J6.3@1870,-15
relay: C23.1 R43.1 U7.6 U13.1 | length 434.9
  Top Layer w12: U7.6@2199.53,1014.53 2290.47,1014.53 2327.52,977.48 2327.52,917.48 2340,905 2345,905 ; U13.1@2345,841.46 2345,905 ; v1(2435,880) 2410,905 2345,905
  Bottom Layer w12: C23.1@2420,860 R43.1@2420,905
RS485_A: J3.2 R15.1 | length 508.5
  Top Layer w20: J3.2@1060,3145 1060,3040 1125,2975 1275,2975 1315,2935 R15.1@1315,2830
RS485_B: J3.3 R21.1 | length 595.6
  Top Layer w20: J3.3@905,3130 905,2975 985,2895 1235,2895 1265,2865 R21.1@1265,2830
RST: J2.1 R3.1 | length 168
  Bottom Layer w10: R3.1@1675,1890 1675.47,1889.53 R3.1@1682.75,1889.53 J2.1@1842.75,1889.53
SWCLK: J2.2 R4.2 U1.49 | length 368.5
  Top Layer w10: U1.49@1785.39,1680 1785.39,1724.61 1795.79,1735 1835,1735 1942.75,1842.75 J2.2@1942.75,1889.53 ; J2.2@1955,1889.21 J2.2@1955,1895
  Bottom Layer w10: J2.2@1942.75,1889.53 R4.2@1942.75,1954.53
SWDIO: J2.3 R5.2 U1.46 | length 498.9
  Top Layer w10: U1.46@1858.23,1567.79 1946.02,1567.79 1967.75,1589.53 1967.75,1747.75 2040,1820 J2.3@2040,1875
  Bottom Layer w10: J2.3@2042.75,1889.53 R5.2@2042.75,1954.53
VBAT: BAT1.1 C54.1 C55.1 pad.0@1080,600 U11.8 | length 959
  Top Layer w20: 900,1285 U11.8@960,1285 ; pad.0@1080,595 BAT1.1@1145,595
  Mid-Layer 2 w20: 985,1290 v1(1000,1290) 1025,1290 1080,1235 pad.0@1080,620
  Bottom Layer w20: C54.1@940,1240 985,1240 1000,1255 v1(1000,1290)
VCAP1: C48.1 U1.30 | length 100
  Top Layer w10: C48.1@1732.75,1144.53 1732.75,1159.53 1746.02,1172.79 U1.30@1746.02,1239.05
pads on no net: BAT1.0 U1.1 U1.2 U1.3 U1.4 U3.4 U6.8 U6.9 U6.10 U7.8 U13.10 U13.11 U13.12 U13.13 U13.14 U13.15

## Polygon pours and split planes (outlines as drawn)
GNDU on Top Layer "Bottom Layer-No Net" (solid, pour order 0): 47 vertices, not listed, extent 2465,525 3445,1635
GNDU on Top Layer "Bottom Layer-No Net" (solid, pour order 1): 22 vertices, not listed, extent 2455,510 3000,1445
GNDU on Top Layer "Bottom Layer-No Net" (solid, pour order 2): 22 vertices, not listed, extent 2450,520 2900,1395
GNDU on Top Layer "Bottom Layer-No Net" (solid, pour order 3): 23 vertices, not listed, extent 2465,530 2800,1145
GNDU on Top Layer "Bottom Layer-No Net" (solid, pour order 4): 26 vertices, not listed, extent 2455,405 2700,1050
GND on Top Layer "Bottom Layer-No Net" (solid, pour order 5): 26 vertices, not listed, extent 1240,635 1505,965
GND on Top Layer "Bottom Layer-No Net" (solid, pour order 6): 23 vertices, not listed, extent 1800,1625 2015,1850
GNDf on Top Layer "Bottom Layer-No Net" (solid, pour order 7): 17 vertices, not listed, extent 2340,600 2595,935
GND on Top Layer "Bottom Layer-No Net" (solid, pour order 8): 2075,1540 2130,1540 2135,1535 2145,1525 2145,1510 2145,1445 2140,1440 2125,1425 2115,1425 1970,1425 1965,1430 1965,1435 1965,1440 2065,1540 2080,1540
GND on Top Layer "Bottom Layer-No Net" (solid, pour order 9): 19 vertices, not listed, extent 1330,1950 1565,2210
GND on Top Layer "Bottom Layer-No Net" (solid, pour order 10): 1225,2220 1290,2220 1300,2210 1300,2200 1300,1910 1295,1905 1290,1900 1285,1900 1280,1900 1210,1970 1210,1985 1210,2215 1215,2220 1225,2220
GND on Top Layer "Bottom Layer-No Net" (solid, pour order 11): 42 vertices, not listed, extent 870,2145 1220,2920
GND_24V on Top Layer "Bottom Layer-No Net" (solid, pour order 12): 89 vertices, not listed, extent 1350,2090 2675,3215
GND_24V on Top Layer "Bottom Layer-No Net" (solid, pour order 13): 40 vertices, not listed, extent 320,65 1620,550
GND on Top Layer "Bottom Layer-No Net" (solid, pour order 1233): 36 vertices, not listed, extent 1487.75,1299.53 1792.75,1609.53
GND on Top Layer "Bottom Layer-No Net 1" (solid, pour order 1237): 90 vertices, not listed, extent 1015,1240 1470,1890
GND on Top Layer "Bottom Layer-No Net 1" (solid, pour order 1245): 55 vertices, not listed, extent 390,945 850,1630
GND on Top Layer "Bottom Layer-No Net 1" (solid, pour order 1253): 47 vertices, not listed, extent 1690,525 2125,1090
GND on Top Layer "Bottom Layer-No Net 1" (solid, pour order 1257): 57 vertices, not listed, extent 1790,1605 2725,2265
GND on Top Layer "Bottom Layer-No Net 1" (solid, pour order 1261): 35 vertices, not listed, extent 1745,1090 2030,1335
GNDU on Top Layer "Bottom Layer-No Net 1" (solid, pour order 1271): 36 vertices, not listed, extent 2375,1750 3095,2810
GND on Top Layer "Bottom Layer-No Net 1" (solid, pour order 1273): 22 vertices, not listed, extent 770,650 1235,1020
GND on Top Layer "Bottom Layer-No Net 1" (solid, pour order 1275): 40 vertices, not listed, extent 45,635 800,1320
GND on Top Layer "Bottom Layer-No Net 1" (solid, pour order 1279): 38 vertices, not listed, extent 1240,1060 1520,1290
GND on Top Layer "Bottom Layer-No Net 1" (solid, pour order 1281): 20 vertices, not listed, extent 1480,670 1715,820
GND_24V on Top Layer "Bottom Layer-No Net 1" (solid, pour order 1287): 35 vertices, not listed, extent 2755,2045 3445,3285
GND_24V on Top Layer "Bottom Layer-No Net 1" (solid, pour order 1291): 31 vertices, not listed, extent -120,-100 710,645
GND_24V on Top Layer "Bottom Layer-No Net 1" (solid, pour order 1295): 35 vertices, not listed, extent -120,1865 940,2485
GND_24V on Top Layer "Bottom Layer-No Net 1" (solid, pour order 1301): 24 vertices, not listed, extent -125,2685 845,3205
GNDU on Bottom Layer "Bottom Layer-No Net" (solid, pour order 1302): 24 vertices, not listed, extent 2540,305 3475,2010
GNDf on Bottom Layer "Bottom Layer-No Net" (solid, pour order 1303): 41 vertices, not listed, extent 1990,500 2595,915
GNDU on Bottom Layer "Bottom Layer-No Net" (solid, pour order 1304): 29 vertices, not listed, extent 2350,930 2595,1780
GND on Bottom Layer "Bottom Layer-No Net" (solid, pour order 1305): 21 vertices, not listed, extent 1510,1920 1905,2010
GND on Bottom Layer "Bottom Layer-No Net" (solid, pour order 1306): 1185,2010 1310,2010 1315,2005 1315,1985 1315,1910 1305,1900 1280,1875 1275,1875 1160,1875 1145,1890 1145,1930 1145,1970 1150,1975 1185,2010 1190,2010
GND on Bottom Layer "Bottom Layer-No Net" (solid, pour order 1307): 21 vertices, not listed, extent 1210,2070 1435,2145
GND on Bottom Layer "Bottom Layer-No Net" (solid, pour order 1308): 23 vertices, not listed, extent 865,2555 1335,3060
GND on Bottom Layer "Bottom Layer-No Net" (solid, pour order 1309): 40 vertices, not listed, extent 1125,2080 1435,2505
GND_24V on Bottom Layer "Bottom Layer-No Net" (solid, pour order 1310): 57 vertices, not listed, extent 1350,2165 2790,3210
GND_24V on Bottom Layer "Bottom Layer-No Net" (solid, pour order 1311): 40 vertices, not listed, extent 165,90 1310,645
GND on Bottom Layer "Bottom Layer-No Net" (solid, pour order 1234): 19 vertices, not listed, extent 1567.75,1624.53 1852.75,1719.53
GND on Bottom Layer "Bottom Layer-No Net" (solid, pour order 1235): 17 vertices, not listed, extent 1812.75,1264.53 1907.75,1524.53
GND on Bottom Layer "Bottom Layer-No Net" (solid, pour order 1232): 24 vertices, not listed, extent 1535,1729.53 2025,1854.53
GND on Bottom Layer "Bottom Layer-No Net 1" (solid, pour order 1243): 33 vertices, not listed, extent 1020,1270 1405,1865
GND on Bottom Layer "Bottom Layer-No Net 1" (solid, pour order 1249): 43 vertices, not listed, extent 390,950 855,1640
GND on Bottom Layer "Bottom Layer-No Net 1" (solid, pour order 1251): 31 vertices, not listed, extent 1705,565 2025,1110
GND on Bottom Layer "Bottom Layer-No Net 1" (solid, pour order 1255): 32 vertices, not listed, extent 1485,675 1750,910
GND on Bottom Layer "Bottom Layer-No Net 1" (solid, pour order 1259): 31 vertices, not listed, extent 2255,1810 2710,2250
GND on Bottom Layer "Bottom Layer-No Net 1" (solid, pour order 1263): 1430,1270 1695,1270 1710,1255 1710,1245 1710,1180 1700,1170 1670,1170 1355,1170 1350,1175 1350,1205 1350,1215 1360,1225 1405,1270 1445,1270
GND on Bottom Layer "Bottom Layer-No Net 1" (solid, pour order 1265): 62 vertices, not listed, extent 1975,1210 2195,1825
GND on Bottom Layer "Bottom Layer-No Net 1" (solid, pour order 1277): 32 vertices, not listed, extent 750,890 1115,1060
GND_24V on Bottom Layer "Bottom Layer-No Net 1" (solid, pour order 1289): 54 vertices, not listed, extent 2745,2040 3465,3210
GND_24V on Bottom Layer "Bottom Layer-No Net 1" (solid, pour order 1293): 45 vertices, not listed, extent -110,1265 925,2485
GND_24V on Bottom Layer "Bottom Layer-No Net 1" (solid, pour order 1299): 24 vertices, not listed, extent -120,2690 850,3205
GND on Mid-Layer 2 "Bottom Layer-No Net" (solid, pour order 1312): 1490,1725 1795,1725 1800,1720 1900,1620 1900,1605 1900,1305 1790,1195 1780,1195 1485,1195 1480,1200 1370,1310 1370,1325 1370,1665 1430,1725 1495,1725
GND on Mid-Layer 1 "Bottom Layer-No Net" (solid, pour order 1313): 18 vertices, not listed, extent 1370,1195 1900,1725

## Other copper
Top Layer:
  rectangle net GND: 1440,1740 1495,1775
Mid-Layer 1:
  rectangle net GNDU: 2405,1620 2455,1695
  rectangle net GND: 1420,685 1485,755

## Silkscreen, mask and mechanical layers (free items; w line width, h text height)
Top Overlay:
  text "B  A  G" at 875,2975 h61
  text "2024-3-30" at 230,2870 h150
  text "微断从V2.0" at 195,2695 h150
  text "WD" at 3270,2655 h120
  text "VCC" at 2257.75,2024.53 h30 r90
  text "GND" at 2147.75,2009.53 h30 r90
  text "24V" at 650,150 h61
  text "+ -" at 805,130 h61 r180
  text "G B A" at 1040,70 h61
Mechanical 1:
  the board outline again, w1